# KiCad board Zazu.kicad_pcb (continued)
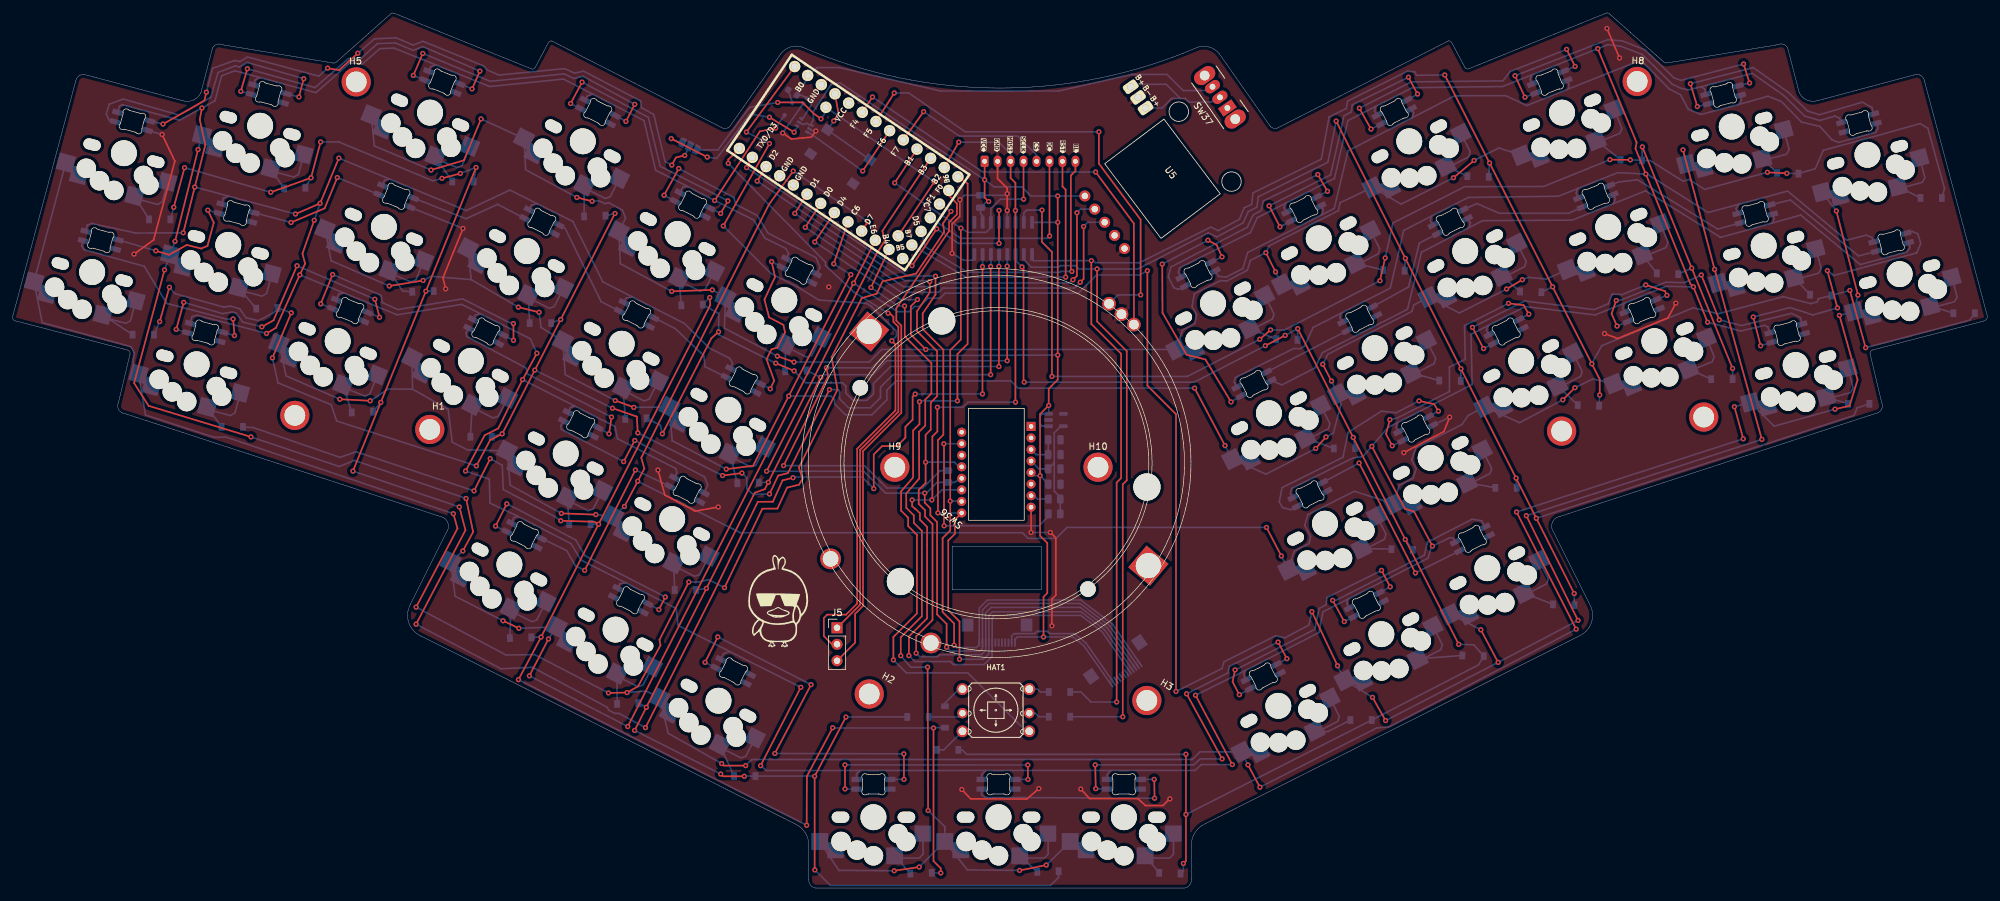
[diagram p0: board, top side]
## Routing (per net, layer and track width the routed paths; a pad name or vN(x,y) marks a point on that pad's centre or on a via; arc(x,y) is an arc through that point) (continued)
SCL: length 62.8
  Top w0.25: U1.6 v1(122.21,101.89) ; v1(165.11,102.02) 165.11,93.94 v1(164.59,93.42)
  Bottom w0.25: v1(164.59,93.42) 163.7,92.53 143.4,92.53 142.74,91.87 136.99,91.87 v1(122.21,101.89) ; v1(165.11,102.02) 165.76,102.67 U5.3
SCLK: length 145.7
  Top w0.25: v1(145.14,37.45) 145.14,40.79 143.37,42.56 143.37,53.96 144.55,55.14 v1(144.55,59.66) 144.55,82.95 146.18,84.58 v1(146.18,101.76) ; v1(155.86,106.23) 155.85,106.24 J3.4 ; U1.16 v1(135.99,108.75)
  Bottom w0.25: v1(135.99,108.75) 141.15,105.13 v1(146.18,101.76) 147.25,101.12 150.1,101.12 150.81,101.84 U2.11 150.81,104.77 152.27,106.22 152.27,106.23 v1(155.86,106.23) ; 173.82,34.57 169.6,40.65 164.65,44.42 150.28,44.42 149.02,43.16 J2.1 149.02,37.52 148.58,37.08 145.51,37.08 v1(145.14,37.45) ; v1(144.55,59.66) 146.27,59.66 U4.10
SDA: length 63.9
  Top w0.25: v1(163.46,93.8) 164.08,94.42 v1(164.08,104.15) ; v1(120.59,104.04) U1.5
  Bottom w0.25: v1(163.46,93.8) 162.98,93.32 142.86,93.32 142.28,92.74 137.32,92.74 v1(120.59,104.04) ; v1(164.08,104.15) 164.63,104.7 U5.2
SR_CS: length 25.9
  Top w0.25: v1(142.46,101.65) v1(138.66,95.97) ; v1(152.07,104.5) v1(152.07,99.41)
  Bottom w0.25: v1(152.07,104.5) 152.08,104.49 U2.12 ; v1(142.46,101.65) 144.89,100.05 145.78,99.41 v1(152.07,99.41) ; v1(138.66,95.97) U1.12
TFT_BL: length 43.6
  Top w0.25: J3.8 163.85,110.59 163.14,109.88 163.14,95.25 v1(163.3,95.09)
  Bottom w0.25: v1(163.3,95.09) 161.6,95.09 161.46,94.95 147.22,94.95 140.72,98.87 U1.26
TFT_CS: length 26.1
  Top w0.25: v1(140.45,119.73) U1.17
  Bottom w0.25: v1(140.45,119.73) 145.94,115.97 154.93,115.97 157.85,113.05 J3.5
TFT_DC: length 31
  Top w0.25: J3.6 159.85,100.57 v1(159.87,100.55)
  Bottom w0.25: U1.27 145.07,100.94 146.18,100.2 159.52,100.2 v1(159.87,100.55)
TFT_RST: length 43.1
  Top w0.25: v1(162.34,94.21) 162.34,107.7 161.85,108.19 J3.7
  Bottom w0.25: U1.25 146.96,94.21 v1(162.34,94.21)
Net-(C3-Pad1): length 5.3
  Bottom w0.25: C4.2 C3.1 157.8,66.84 U4.3
Net-(D1-Pad1): length 4.7
  Bottom w0.25: D1.1 SW1.2
Net-(D2-Pad1): length 5.3
  Bottom w0.25: SW2.2 60.12,92.09 D2.1
Net-(D3-Pad1): length 3.7
  Bottom w0.25: D3.1 SW3.2
Net-(D4-Pad1): length 4.8
  Bottom w0.25: D4.1 SW4.2
Net-(D5-Pad1): length 4.3
  Bottom w0.25: D5.1 SW5.2
Net-(D6-Pad1): length 4.5
  Bottom w0.25: D6.1 SW6.2
Net-(D7-Pad1): length 4.2
  Bottom w0.25: D7.1 SW7.2
Net-(D8-Pad1): length 4.2
  Bottom w0.25: D8.1 SW8.2
Net-(D9-Pad1): length 4.8
  Bottom w0.25: D9.1 SW9.2
Net-(D10-Pad1): length 4.9
  Bottom w0.25: D10.1 SW10.2
Net-(D11-Pad1): length 4.6
  Bottom w0.25: D11.1 SW11.2
Net-(D12-Pad1): length 3.7
  Bottom w0.25: D12.1 SW12.2
Net-(D13-Pad1): length 4.2
  Bottom w0.25: D13.1 SW13.2
Net-(D14-Pad1): length 4.7
  Bottom w0.25: D14.1 SW14.2
Net-(D15-Pad1): length 4.1
  Bottom w0.25: D15.1 SW15.2
Net-(D16-Pad1): length 4.7
  Bottom w0.25: D16.1 SW16.2
Net-(D17-Pad1): length 3.7
  Bottom w0.25: D17.1 SW17.2
Net-(D18-Pad1): length 4.5
  Bottom w0.25: D18.1 SW18.2
Net-(D19-Pad1): length 4.7
  Bottom w0.25: D19.1 SW19.2
Net-(D20-Pad1): length 4.1
  Bottom w0.25: D20.1 SW20.2
Net-(D21-Pad1): length 6.9
  Bottom w0.25: D21.1 SW21.2
Net-(D22-Pad1): length 3.4
  Bottom w0.25: D22.1 SW22.2
Net-(D23-Pad1): length 4.6
  Bottom w0.25: D23.1 SW23.2
Net-(D24-Pad1): length 4.5
  Bottom w0.25: D24.1 SW24.2
Net-(D25-Pad1): length 4.5
  Bottom w0.25: D25.1 SW25.2
Net-(D26-Pad1): length 4.8
  Bottom w0.25: D26.1 SW26.2
Net-(D27-Pad1): length 4.4
  Bottom w0.25: D27.1 SW27.2
Net-(D28-Pad1): length 3.7
  Bottom w0.25: D28.1 SW28.2
Net-(D29-Pad1): length 3.7
  Bottom w0.25: D29.1 SW29.2
Net-(D30-Pad1): length 4.3
  Bottom w0.25: D30.1 SW30.2
Net-(D31-Pad1): length 3.6
  Bottom w0.25: D31.1 SW31.2
Net-(D32-Pad1): length 4.8
  Bottom w0.25: D32.1 SW32.2
Net-(D33-Pad1): length 3.6
  Bottom w0.25: D33.1 SW33.2
Net-(D34-Pad1): length 3.2
  Bottom w0.25: D34.1 SW34.2
Net-(D35-Pad1): length 4.1
  Bottom w0.25: D35.1 143.73,28.52 145.89,30.67 HAT1.1
Net-(D36-Pad1): length 5.5
  Bottom w0.25: HAT1.2 145.84,26.38 D36.1
Net-(D37-Pad1): length 5.1
  Bottom w0.25: HAT1.3 143.56,21.3 D37.1
Net-(D38-Pad1): length 3.2
  Bottom w0.25: HAT1.5 157.66,26.97 158.21,26.42 D38.1
Net-(D39-Pad1): length 3.2
  Bottom w0.25: HAT1.6 158.01,30.67 158.45,30.23 D39.1
Net-(D40-Pad2): length 2.1
  Bottom w0.25: F1.1 D40.2
Net-(D41-Pad4): length 38.7
  Top w0.25: v1(99.64,42.93) v1(100.64,44.88) ; v1(74.46,55.81) v1(76.19,59.25)
  Bottom w0.25: v1(76.19,59.25) 78.2,58.24 86.84,53.65 88.22,51.26 v1(100.64,44.88) ; D41.4 v1(99.64,42.93) ; D85.2 v1(74.46,55.81)
Net-(D42-Pad2): length 45.4
  Top w0.25: v1(281.31,89.47) v1(279.75,95.21) ; v1(269.46,83.63) v1(268.33,88.06)
  Bottom w0.25: v1(281.31,89.47) 277.52,88.38 273.98,89.52 v1(268.33,88.06) ; D42.2 v1(269.46,83.63) ; D49.4 292.84,101.26 293.7,100.88 294.15,99.4 293.52,97.95 280.73,94.46 v1(279.75,95.21)
Net-(D42-Pad4): length 41.5
  Top w0.25: v1(247.33,86.66) 246.49,88.58 v1(247.21,90.61) ; v1(263.09,87.62) v1(260.32,94.55)
  Bottom w0.25: v1(247.33,86.66) D88.2 ; v1(260.32,94.55) 257.72,93.36 254.83,93.43 247.86,90.65 v1(247.21,90.61) ; D42.4 275.61,87.96 274.21,88.62 266.51,86.74 v1(263.09,87.62)
Net-(D43-Pad1): length 3.8
  Bottom w0.25: D43.1 SW46.2
Net-(D44-Pad2): length 40.8
  Top w0.25: v1(184.27,99.9) 185.61,99.17 v1(186.44,97.33) ; v1(177.23,96.22) 177.27,88.72 180.98,82.25 183.89,81.51 v1(187.83,74.97)
  Bottom w0.25: D44.2 v1(187.83,74.97) ; v1(186.44,97.33) D50.4 ; v1(177.23,96.22) v1(184.27,99.9)
Net-(D44-Pad4): length 13.9
  Bottom w0.25: D44.4 D86.2
Net-(D45-Pad2): length 33.5
  Top w0.25: v1(203.5,44.37) v1(205.29,41.09)
  Bottom w0.25: D51.4 226.48,56.64 225,56.88 218.1,53.34 217.62,51.33 204.05,44.39 v1(203.5,44.37) ; v1(205.29,41.09) D45.2
Net-(D45-Pad4): length 39.7
  Top w0.25: v1(189.11,29.82) 188.07,31.81 v1(188.45,33.64) ; v1(212.37,46.45) v1(211.03,48.98)
  Bottom w0.25: D89.2 v1(189.11,29.82) ; D45.4 v1(212.37,46.45) ; v1(188.45,33.64) 188.86,33.82 200.73,39.89 201.41,43.1 202.46,43.67 202.63,44.82 v1(211.03,48.98)
Net-(D46-Pad2): length 43.3
  Top w0.25: v1(44.15,122) v1(44.9,124.81)
  Bottom w0.25: D53.4 v1(44.15,122) ; v1(44.9,124.81) 36.2,127.32 34.98,126.62 34.32,126.78 31.69,125.78 30.57,121.94 25.66,119.21 17.06,121.68 14.91,120.87 14.46,119.38 14.86,118.48 D46.2
Net-(D47-Pad2): length 15.1
  Bottom w0.25: D47.2 106.77,80.39 106.57,82.1 102.13,86.29 D54.4
Net-(D47-Pad4): length 26.5
  Top w0.25: v1(116.81,76.99) 117.42,78.24 116.23,81.53 117.01,83.09 117.9,83.32 119.08,85.67 118.84,86.84 116.63,88.01 115.91,90.76 117.55,94.23 v1(117.02,96.61)
  Bottom w0.25: v1(116.81,76.99) D47.4 ; D90.2 v1(117.02,96.61)
Net-(D48-Pad2): length 48.5
  Top w0.25: v1(55.86,90.8) v1(56.58,88.02) ; v1(25.24,86.15) v1(26.4,90.32) ; v1(38.44,86.55) 40.25,87.56 v1(43.86,95.97)
  Bottom w0.25: v1(38.44,86.55) 35.48,87.28 34.46,88.68 33.84,88.84 32.37,88.58 v1(26.4,90.32) ; v1(56.58,88.02) D55.4 ; D48.2 v1(25.24,86.15) ; v1(43.86,95.97) v1(55.86,90.8)
Net-(D48-Pad4): length 32.9
  Top w0.25: v1(34.01,87.76) v1(34.23,85.19)
  Bottom w0.25: v1(34.01,87.76) 33.05,87.73 23.78,90.16 20.32,95.88 11.06,98.44 10.66,99.02 D91.2 ; v1(34.23,85.19) D48.4
Net-(D49-Pad2): length 19.6
  Bottom w0.25: D49.2 284.56,97.48 274.05,106.11 D56.4
Net-(D50-Pad2): length 37.9
  Top w0.25: v1(202.7,107.45) v1(201.21,110.03)
  Bottom w0.25: D50.2 179.77,92.32 179.02,92.57 178.17,94.26 178.55,95.77 190.33,101.89 191.26,103.83 192.5,104.5 192.81,105.96 v1(201.21,110.03) ; D57.4 v1(202.7,107.45)
Net-(D51-Pad2): length 33
  Top w0.25: v1(216.25,48.59) v1(207.58,65.55)
  Bottom w0.25: v1(207.58,65.55) D58.4 ; D51.2 v1(216.25,48.59)
Net-(D52-Pad2): length 60.4
  Top w0.25: v1(137.42,16.75) v1(137.4,20.69) ; v1(117.51,20.75) v1(123.1,31.36) ; v1(108.72,38.72) v1(106.76,34.8)
  Bottom w0.25: v1(106.76,34.8) D52.2 ; v1(123.1,31.36) v1(108.72,38.72) ; v1(137.4,20.69) v1(117.51,20.75) ; D59.4 v1(137.42,16.75)
Net-(D53-Pad2): length 50.3
  Top w0.25: v1(36.21,126.35) v1(35.19,122.86) ; v1(70.84,123.24) v1(72.05,125.98)
  Bottom w0.25: v1(35.19,122.86) D53.2 ; D60.4 v1(70.84,123.24) ; v1(36.21,126.35) 46.62,123.44 51.78,127.91 53.59,127.82 56.24,130.22 59.03,130.33 61.76,129.18 63.26,129.76 v1(72.05,125.98)
Net-(D54-Pad2): length 16.8
  Bottom w0.25: D54.2 90.73,90.43 85.2,101.73 D61.4
Net-(D55-Pad2): length 42
  Top w0.25: v1(77.22,87.06) v1(77.23,84.46) ; v1(47.51,90.09) v1(49.35,94.61)
  Bottom w0.25: v1(77.22,87.06) 76.45,87.27 69.38,90.86 59.41,89.21 57.04,90.27 56.81,91.4 v1(49.35,94.61) ; v1(77.23,84.46) D62.4 ; D55.2 v1(47.51,90.09)
Net-(D56-Pad2): length 22.5
  Bottom w0.25: D63.4 247.64,108.89 250.46,109.24 262.85,101.62 D56.2
Net-(D57-Pad2): length 42.4
  Top w0.25: v1(193.7,105.21) v1(195.38,101.97) ; v1(216.58,122.45) v1(215.18,125.04)
  Bottom w0.25: v1(215.18,125.04) 206.52,120.79 206.37,119.68 205.25,119.11 203.17,109.97 v1(193.7,105.21) ; D64.4 v1(216.58,122.45) ; v1(195.38,101.97) D57.2
Net-(D58-Pad2): length 37.8
  Top w0.25: v1(219.79,73.54) 219.16,74.62 v1(216.81,75.13)
  Bottom w0.25: D65.4 v1(219.79,73.54) ; D58.2 197.03,58.35 195.78,58.66 195.27,59.55 195.7,61.75 205.09,66.44 205.88,70.27 211.03,73.55 213.3,73.3 v1(216.81,75.13)
Net-(D59-Pad2): length 37.8
  Top w0.25: v1(156.53,16.75) v1(156.51,18.97) ; v1(128.32,18.99) v1(128.33,15.29)
  Bottom w0.25: v1(128.33,15.29) D59.2 ; v1(156.51,18.97) v1(128.32,18.99) ; D66.4 v1(156.53,16.75)
Net-(D60-Pad2): length 45.4
  Top w0.25: v1(63.25,128.71) v1(61.79,125.32) ; v1(94.56,118.23) v1(95.92,120.86)
  Bottom w0.25: v1(95.92,120.86) 87.93,125.2 86.54,124.85 85,125.56 73.65,124.41 v1(63.25,128.71) ; D67.4 v1(94.56,118.23) ; v1(61.79,125.32) D60.2
Net-(D61-Pad2): length 18.7
  Bottom w0.25: D61.2 74.78,105.44 69.91,103.22 D68.4
Net-(D62-Pad2): length 31.8
  Top w0.25: v1(92.34,72.63) v1(91.95,70.05)
  Bottom w0.25: v1(92.34,72.63) 79.36,79.29 79.16,80.2 76.63,81.55 70.03,85.05 69.89,85.57 D62.2 ; v1(91.95,70.05) D69.4
Net-(D63-Pad2): length 19.1
  Bottom w0.25: D63.2 239.91,104.06 229.19,104.06 225.71,105.56 D70.4
Net-(D64-Pad2): length 44.7
  Top w0.25: v1(207.61,120.26) v1(209.41,117.04) ; v1(240.87,126.7) v1(239.56,129.34)
  Bottom w0.25: v1(209.41,117.04) D64.2 ; D71.4 v1(240.87,126.7) ; v1(239.56,129.34) 230.85,125.92 229.74,124.48 215.62,124.32 v1(207.61,120.26)
Net-(D65-Pad2): length 41.3
  Top w0.25: v1(233.73,88.5) 232.94,89.88 v1(230.6,90.17) ; v1(212.31,72.23) 211.72,70 v1(212.68,68.21)
  Bottom w0.25: D72.4 v1(233.73,88.5) ; v1(230.6,90.17) 223.82,86.73 223.93,81.54 221.49,80.34 221.5,76.58 213.43,72.47 v1(212.31,72.23) ; v1(212.68,68.21) D65.2
Net-(D66-Pad2): length 32.7
  Top w0.25: v1(175.99,16.76) v1(176.05,13.84)
  Bottom w0.25: D66.2 149.39,14.33 149.96,13.97 v1(176.05,13.84) ; D73.4 v1(175.99,16.76)
Net-(D67-Pad2): length 40.6
  Top w0.25: v1(109.16,104.03) v1(110.27,105.97) ; v1(87.8,124.29) v1(86.03,120.98)
  Bottom w0.25: v1(86.03,120.98) D67.2 ; v1(110.27,105.97) 99.84,111.31 98.01,118.86 v1(87.8,124.29) ; D74.4 v1(109.16,104.03)
Net-(D68-Pad2): length 23.5
  Top w0.25: v1(50.07,109.57) 48.12,104.82 v1(42.94,102.64)
  Bottom w0.25: D68.2 v1(50.07,109.57) ; v1(42.94,102.64) D83.4
Net-(D69-Pad2): length 30.7
  Top w0.25: v1(94.21,65.76) v1(95.92,69.02)
  Bottom w0.25: D84.4 107.17,62.19 106.67,63.41 v1(95.92,69.02) ; v1(94.21,65.76) 84.62,70.73 84.5,71.29 D69.2
Net-(D70-Pad2): length 16.4
  Bottom w0.25: D70.2 216.86,99.47 215.19,92.7 D86.4
Net-(D71-Pad2): length 49
  Top w0.25: v1(231.61,125.27) v1(233.14,121.96) ; v1(267.76,124.16) v1(266.84,127.08)
  Bottom w0.25: D87.4 v1(267.76,124.16) ; v1(266.84,127.08) 257.17,124.55 256.06,124.98 251.65,129.26 248.12,130.65 245.88,130.83 v1(231.61,125.27) ; v1(233.14,121.96) D71.2
Net-(D72-Pad2): length 40.3
  Top w0.25: v1(255.02,91.4) 254.72,92.05 v1(251.76,93.01) ; v1(225.04,86.47) v1(226.76,83.19)
  Bottom w0.25: v1(251.76,93.01) 248.16,91.53 246.57,91.59 245.99,90.11 243.81,89.2 233.09,90.54 v1(225.04,86.47) ; v1(226.76,83.19) D72.2 ; D88.4 v1(255.02,91.4)
Net-(D73-Pad2): length 58.1
  Top w0.25: v1(180.98,29.95) v1(186.46,19.91) ; v1(166.9,18.99) v1(166.98,15.32) ; v1(196.44,35.37) v1(195.08,37.93)
  Bottom w0.25: v1(186.46,19.91) 183.1,19.91 182.07,18.99 v1(166.9,18.99) ; D89.4 v1(196.44,35.37) ; v1(166.98,15.32) D73.2 ; v1(195.08,37.93) 187.56,34.16 187.35,33.16 v1(180.98,29.95)
Net-(D74-Pad2): length 35.4
  Top w0.25: v1(102.7,110.96) v1(100.44,106.84)
  Bottom w0.25: v1(100.44,106.84) D74.2 ; D90.4 124.49,95.7 123.87,97.21 116.47,100.99 114.79,103.72 111.48,105.44 111.21,106.49 v1(102.7,110.96)
Net-(D75-Pad1): length 4.3
  Bottom w0.25: D75.1 SW38.2
Net-(D76-Pad1): length 5.5
  Bottom w0.25: D76.1 SW39.2
Net-(D77-Pad1): length 3.8
  Bottom w0.25: D77.1 SW40.2
Net-(D78-Pad1): length 5.3
  Bottom w0.25: D78.1 SW41.2
Net-(D79-Pad1): length 5.9
  Bottom w0.25: D79.1 202.76,24.12 SW42.2
Net-(D80-Pad1): length 3.5
  Bottom w0.25: D80.1 SW43.2
Net-(D81-Pad1): length 3.8
  Bottom w0.25: D81.1 SW44.2
Net-(D82-Pad1): length 3.9
  Bottom w0.25: D82.1 SW45.2
Net-(D83-Pad2): length 22.3
  Top w0.25: v1(30.11,104.53) 31.03,102.61 30.06,99.02 29.08,98.62 26.87,99.18 24.13,97.66 v1(22.1,98.27)
  Bottom w0.25: D83.2 v1(30.11,104.53) ; v1(22.1,98.27) D91.4
Net-(D84-Pad2): length 31.8
  Top w0.25: v1(88.2,48.99) v1(96.02,64.47)
  Bottom w0.25: v1(96.02,64.47) D84.2 ; v1(88.2,48.99) 86.78,49.68 85.43,52.03 D85.4
Net-(D87-Pad2): length 37.7
  Top w0.25: v1(258.64,124.04) v1(259.71,120.52)
  Bottom w0.25: v1(258.64,124.04) 268.32,126.53 273.74,122.71 276.69,119.83 278.49,119.25 285.15,121.2 286.61,120.38 D92.4 ; v1(259.71,120.52) D87.2
Net-(R1-Pad2): length 32.5
  Top w0.25: v1(143.61,55.86) 143.59,55.88 143.59,68.49 v1(143.56,68.52)
  Bottom w0.25: R1.2 159.69,57.31 158.24,55.86 v1(143.61,55.86) ; v1(143.56,68.52) U4.15
Net-(R2-Pad1): length 2.9
  Bottom w0.25: U4.7 157.49,60.51 158.01,59.99 R2.1

## Copper pours and planes (outline as drawn; the poured copper is in the pictures)
GND on Top, Bottom: 311.75,-29.21 -5.75,-23.37 -4.48,139.19 310.74,144.53
